# Altium PCB PowerBoard.PcbDoc (part 2 of 4)
Units mm, origin at the board's own origin, x right, y up, seen from the top; angles counter-clockwise.
Board outline 214 x 155 mm, 4 copper layers (Top Layer, GND, VCC, Bottom Layer), stack 0.603 mm thick; 425 components, 261 nets, 1488 pads, 825 vias.
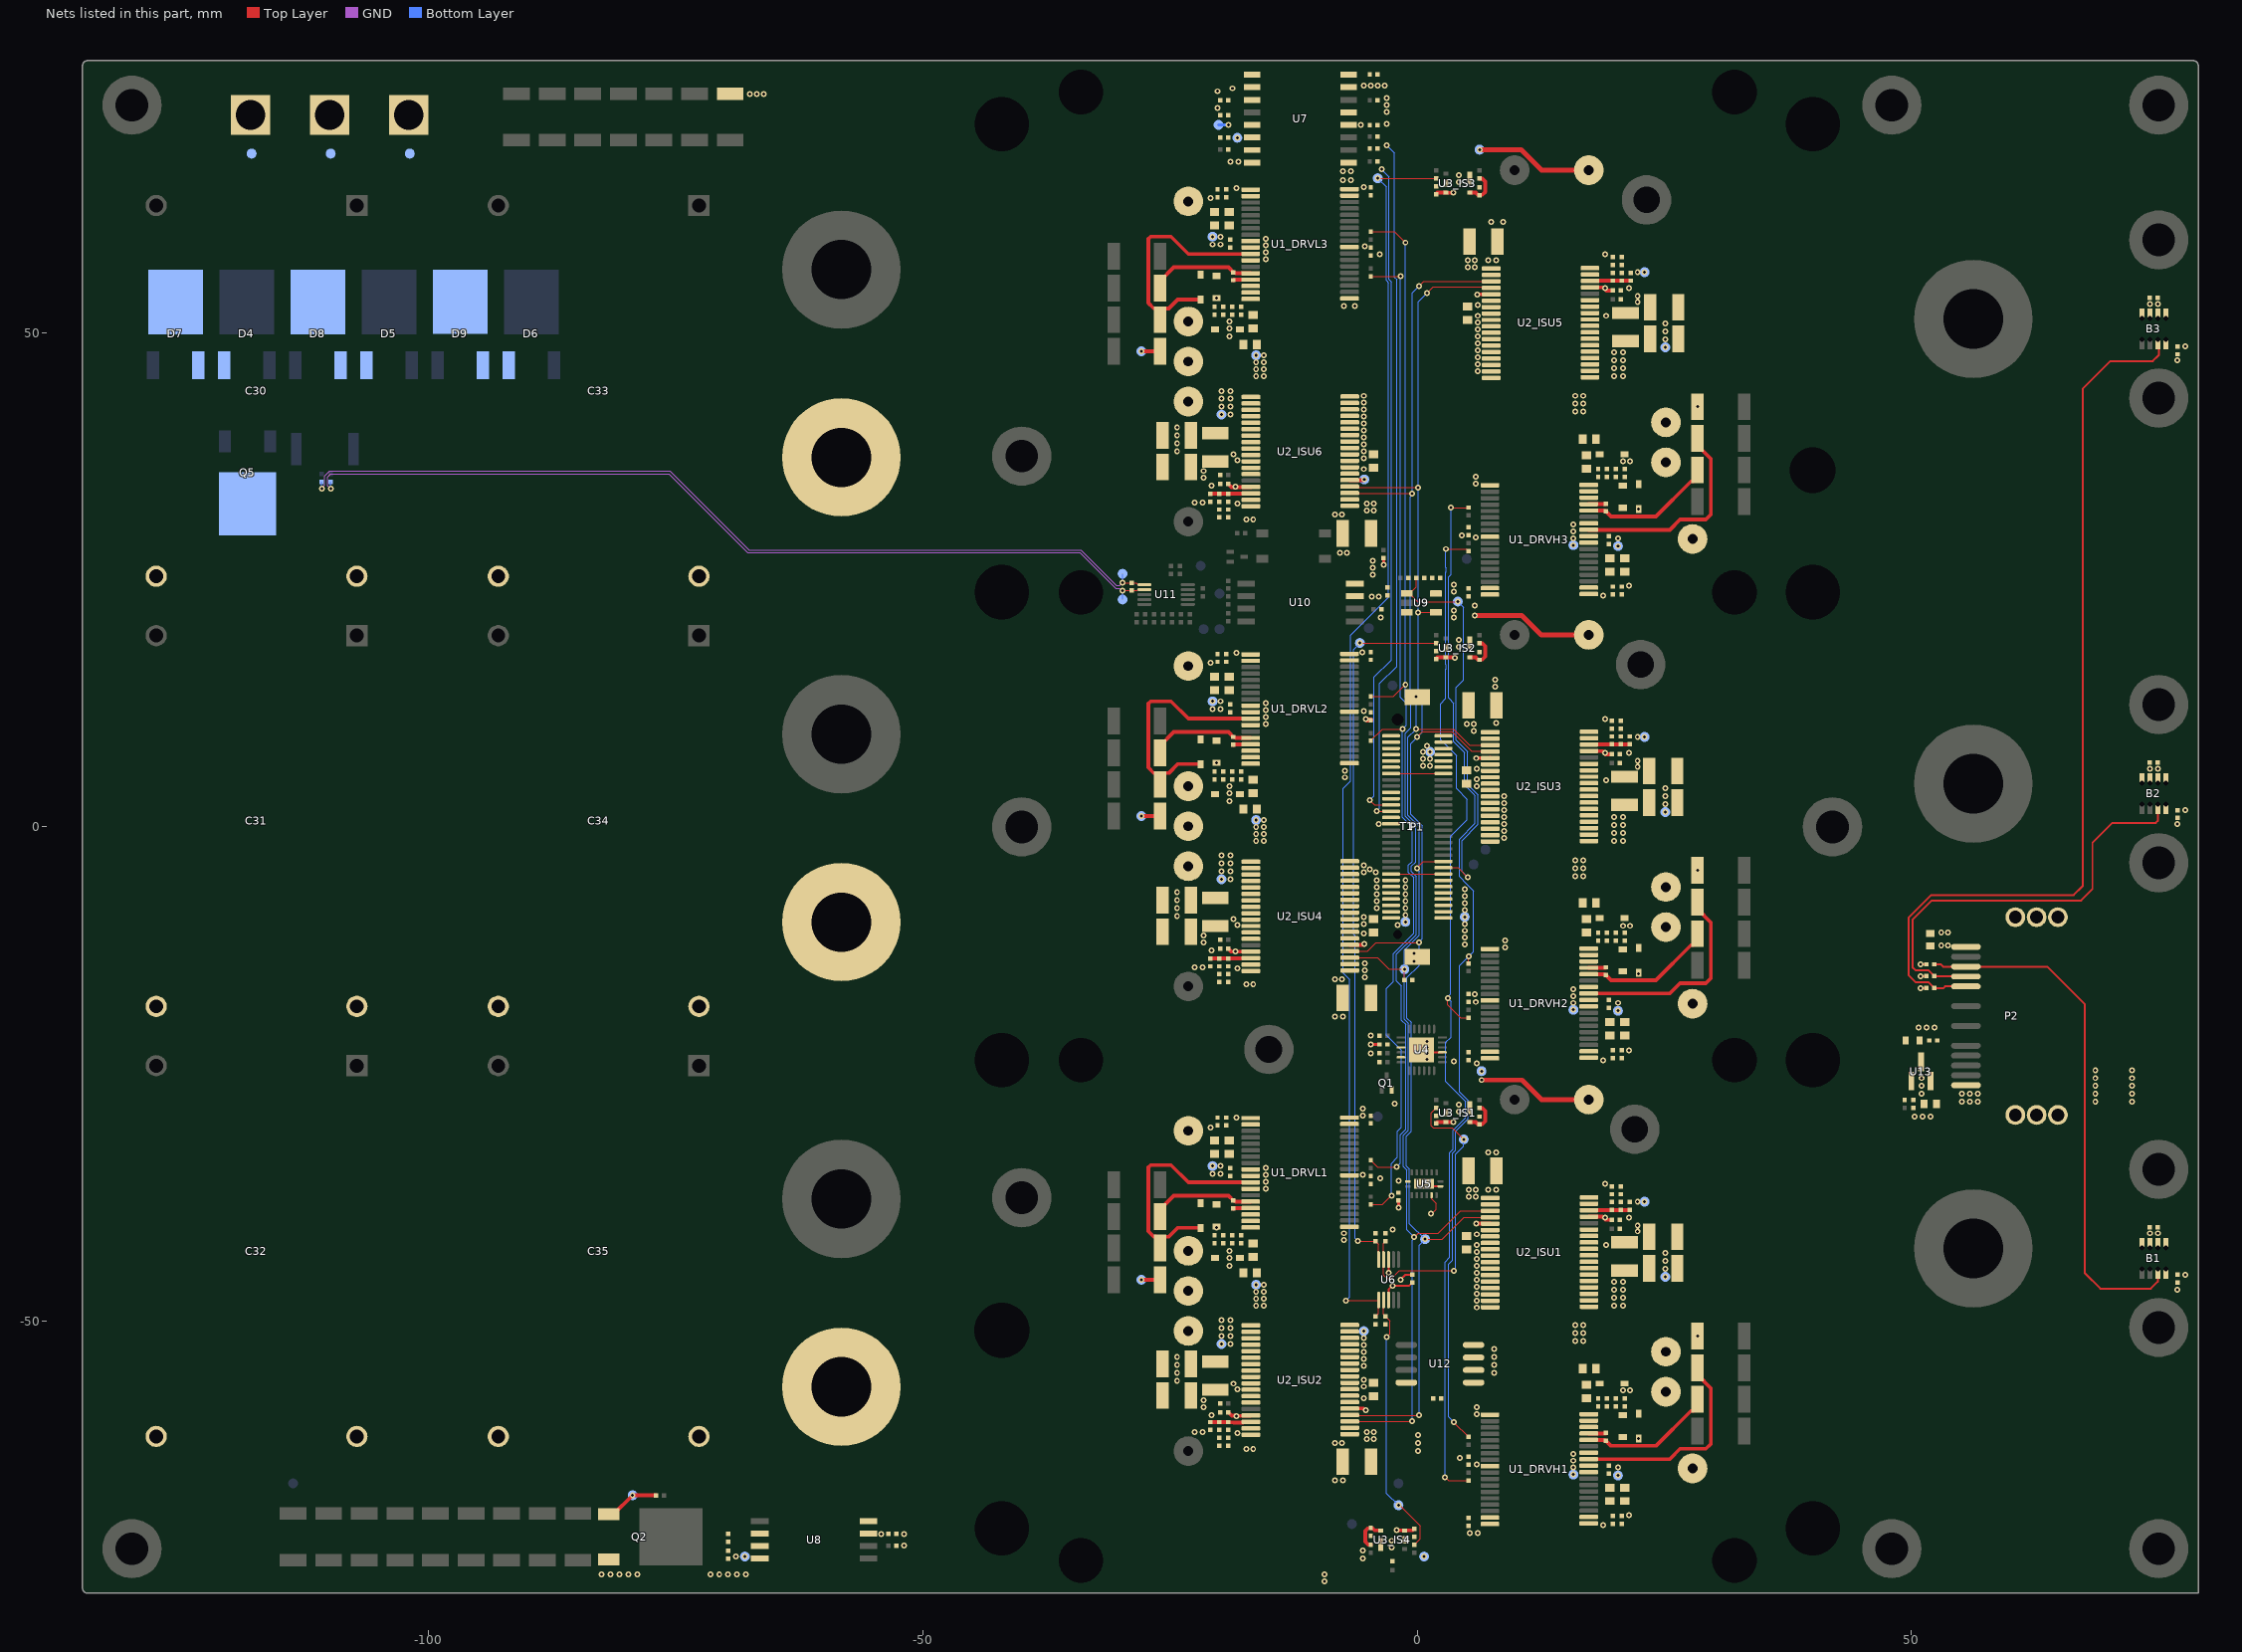
[diagram p4: the nets of this part, all layers, seen from the top]

## Part data
3V3 24V BENA CENA CPG DCN DCP FBGT FBON GND1 GND2 GND3 GND4 GND5 GND6 HGAT_HBU HGAT_HBV HGAT_HBW HLDO HVMS ICM_ISU1 ICM_ISU2 ICM_ISU3 ICM_ISU4 ICM_ISU5 ICM_ISU6 IVD_ISU1 IVD_ISU2 IVD_ISU3 IVD_ISU4 IVD_ISU5 IVD_ISU6 IVE_ISU1 IVE_ISU2 IVE_ISU3 IVE_ISU4 IVE_ISU5 IVE_ISU6 LGAT_HBU LGAT_HBV LGAT_HBW PHS_HBU PHS_HBV PHS_HBW PUH PUL PVH PVL PWH PWL RFCN RFCP RFON RFRG RFVH RFVM RFVS RL1 RL2 RL3 TMPA_IS1 TMPA_IS2 TMPA_IS3 TMPA_IS4: library part CMP-003-000002-1
B1 B2 B3: library part CMP-010-00024-1
C1_DRVH1 C1_DRVH2 C1_DRVH3 C1_DRVL1 C1_DRVL2 C1_DRVL3 C2_DRVH1 C2_DRVH2 C2_DRVH3 C2_DRVL1 C2_DRVL2 C2_DRVL3 C3_DRVH1 C3_DRVH2 C3_DRVH3 C3_DRVL1 C3_DRVL2 C3_DRVL3 C4_DRVH1 C4_DRVH2 C4_DRVH3 C4_DRVL1 C4_DRVL2 C4_DRVL3 C5_DRVH1 C5_DRVH2 C5_DRVH3 C5_DRVL1 C5_DRVL2 C5_DRVL3 C6_DRVH1 C6_DRVH2 C6_DRVH3 C6_DRVL1 C6_DRVL2 C6_DRVL3 C11_DRVH1 C11_DRVH2 C11_DRVH3 C11_DRVL1 C11_DRVL2 C11_DRVL3 C12_DRVH1 C12_DRVH2 C12_DRVH3 C12_DRVL1 C12_DRVL2 C12_DRVL3 C18_ISU1 C18_ISU2 C18_ISU3 C18_ISU4 C18_ISU5 C18_ISU6 C19_ISU1 C19_ISU2 C19_ISU3 C19_ISU4 C19_ISU5 C19_ISU6 C20_IS1 C20_IS2 C20_IS3 C20_IS4 C21_IS1 C21_IS2 C21_IS3 C21_IS4 C22_IS1 C22_IS2 C22_IS3 C22_IS4 C23 C24 C25 C26 C27 C28 C29 C36 C37 C38 C39 C40 C41 C42 C43 C44 C45 C46: library part C0402, Capacitance=100n, Tolerance=10, Voltage=25
C7_DRVH1 C7_DRVH2 C7_DRVH3 C7_DRVL1 C7_DRVL2 C7_DRVL3 C8_DRVH1 C8_DRVH2 C8_DRVH3 C8_DRVL1 C8_DRVL2 C8_DRVL3 C9_DRVH1 C9_DRVH2 C9_DRVH3 C9_DRVL1 C9_DRVL2 C9_DRVL3 C10_DRVH1 C10_DRVH2 C10_DRVH3 C10_DRVL1 C10_DRVL2 C10_DRVL3 C16_ISU1 C16_ISU2 C16_ISU3 C16_ISU4 C16_ISU5 C16_ISU6: library part C0603, Capacitance=100n, Tolerance=10, Voltage=50
C13_ISU1 C13_ISU2 C13_ISU3 C13_ISU4 C13_ISU5 C13_ISU6 C14_ISU1 C14_ISU2 C14_ISU3 C14_ISU4 C14_ISU5 C14_ISU6 C15_ISU1 C15_ISU2 C15_ISU3 C15_ISU4 C15_ISU5 C15_ISU6 C17_ISU1 C17_ISU2 C17_ISU3 C17_ISU4 C17_ISU5 C17_ISU6: library part C1210, Capacitance=10u, Tolerance=10, Voltage=35
C30 C31 C32 C33 C34 C35: library part CMP-03022-000060-1, "FILM, RADIAL, METALLIZED POLYPRO"
C47 C49 C50 C51 C52: library part C0402, Capacitance=100n, Tolerance=10, Voltage=50
C48 C55: library part C0603, Capacitance=4.7u, Tolerance=10, Voltage=10
C53 C56 C58: library part C0402, Capacitance=10n, Tolerance=10, Voltage=50
C54 C57 C59: library part C0402, Capacitance=220n, Tolerance=10, Voltage=50
D1_DRVH1 D1_DRVH2 D1_DRVH3 D1_DRVL1 D1_DRVL2 D1_DRVL3 D3_DRVH1 D3_DRVH2 D3_DRVH3 D3_DRVL1 D3_DRVL2 D3_DRVL3: library part CMP-2000-05919-1, "Medium Power AF Schottky Diode, 0.41 V, 1 A, -65 to 125 degC, 2-Pin SOD323, RoHS, Tape and Reel", Manufacturer=Infineon, Max Processing Temp=260, Operating Temperature=-65to125C, Package Description="2-Pin Small Outline Diode Package, Body 1.25 x 1.7 mm", Package Reference=SOD323, Peak Average Forward Current=1A, Peak Reverse Repetitive Voltage=30V, Configuration=Single, Datasheet URL=http://www.infineon.com/dgdl/Infineon-BAS3010ASERIES-DS-v01_01-en.pdf?fileId=db3a30431ddc9372011dfbc50f231c06, Datasheet Version=04/2007, Lead Finish=Tin, Manufacturer URL=http://www.infineon.com/, Mounting=SurfaceMount, Mounting Technology=SurfaceMount, Package URL=http://www.infineon.com/dgdl/SOD323-Package_Overview.pdf?folderId=db3a30431936bc4b011952aab84f3bbe&fileId=db3a30431936bc4b011952beed653be3, Screening Level=Automotive, Type=SchottkyDiode
D2_DRVH1 D2_DRVH2 D2_DRVH3 D2_DRVL1 D2_DRVL2 D2_DRVL3: library part CMP-1060-00681-1, "Zener Voltage Regulator, 300 mW, Tight Tolerance Portfolio, 2-Pin SOD-323, Pb-Free, Tape and Reel", Manufacturer="On Semiconductor", ComponentLink1Description="Manufacturer URL", ComponentLink1URL=http://www.onsemi.com/, ComponentLink2Description=Datasheet, ComponentLink2URL=http://www.onsemi.cn/pub_link/Collateral/MM3Z2V4ST1-D.PDF, ComponentLink3Description="Package Specification", ComponentLink3URL=http://www.onsemi.com/pub_link/Collateral/477-02.PDF.1, DatasheetVersion="Rev. 21", Mounting Technology="Surface Mount", P Max (W)=0.3, PackageDescription="2-Pin SOD, Body 1.7 x 1.25 mm", PackageReference=SOD-323-2-477-02, PackageVersion="Rev. H, 03/2007", Packing="Tape and Reel", PartNumber=SZMM3Z6V2ST1G, RoHS=Pb-Free
D4 D5 D6 D7 D8 D9: library part CMP-00278-84326837-1, "FFSD10120A Rectifier Diode Schottky SiC 1.2KV 22A 3-Pin(2+Tab) DPAK T/R", Capacitance=612pF, Forward Current=22A, Manufacturer Lifecycle Status=ACTIVE, Max Forward Surge Current (Ifsm)=90A, Max Junction Temperature (Tj)=175°C, Max Repetitive Reverse Voltage (Vrrm)=1.2kV, Min Operating Temperature=-55°C, Peak Reverse Current=200µA, Element Configuration=Single, Height=2.517mm, Lifecycle Status=Production, Max Operating Temperature=175°C, Mount="Surface Mount", NexarPartId=84326837, RoHS=Compliant, Weight=260.37mg
FB1: library part CMP-08257-000361-1, "Signal Line Ferrite Bead 220 Ω 100MHz 500mA DCR 250mΩ AEC-Q200 SMD 0603", Case Code (Imperial)=0603, Case Code (Metric)=1608, DC Resistance (DCR)=250mR, Max Current Rating=500mA, Max Operating Temperature=125°C, Min Operating Temperature=-55°C, Package Quantity=4000, Ratings=AEC-Q200, Test Frequency=100MHz, Tolerance=25%, Case/Package=0603, Height=0.03inch, Impedance=220R, Length=0.063inch, Max DC Current=500mA, Mount="Surface Mount", Number of Lines=1, Packaging="Tape and Reel", RoHS Compliant=Yes, Termination=SMD/SMT, Weight=7.1E-05oz, Width=0.031inch
L1 L2 L3: library part CMP-003-000003-3, "Single Pad"
P1: library part CMP-002-00095-1, "Right-angle Dual Port D-Sub Connector"
P2: library part CMP-002-00109-1, "High Heat and Vibration Resistance, 05 Size, 2mm pitch Automotive Interface Connector, -40 to 125 ℃, RoHS", RoHS Compliant=Yes
Q1 Q4: library part CMP-1259-00268-1, "N-Channel Trench MOSFET, 30 V, 0.35 A, -55 to 150 degC, 3-Pin SOT416, Tape and Reel", Manufacturer="NXP Semiconductors", Automotive Qualified=Y, Channel Type=N, Code_JEITA=SC-75, ComponentLink1Description="Manufacturer URL", ComponentLink1URL=http://www.nxp.com/, ComponentLink2Description=Datasheet, ComponentLink2URL=http://www.nxp.com/documents/data_sheet/NX3008NBKT.pdf, ComponentLink3Description="Package Specification", ComponentLink3URL=http://www.nxp.com/documents/data_sheet/2N7002PT.pdf, DatasheetVersion="Rev. 1", ID [max] (A)=0.35, IDM [max] (A)=1.4, Mounting Technology="Surface Mount", PackageDescription="3-Pin Small Outline Transistor Package, Body 1.6 x 0.8 mm, Pitch 0.5 mm", PackageReference=SOT416_B, PackageVersion="06-03-16, 03/2006", Packing="Tape & Reel", PartNumber=NX3008NBKT,115, VDS [max] (V)=30, VGSth [typ] (V)=0.9
Q2 Q5: library part CMP-32901-001052-1, "MOSFET N-CH TO252-3", Drain to Source Voltage (Vdss)=800V, Halogen Free="Halogen Free", Lead Free="Contains Lead", Max Dual Supply Voltage=800V, Mount="Surface Mount", RoHS Compliant=Yes
Q3: library part CMP-35887-000017-1, "TR COUPLER; 4-PIN SO6; AECQ; ROH"
R1 R3_DRVH1 R3_DRVH2 R3_DRVH3 R3_DRVL1 R3_DRVL2 R3_DRVL3 R4_DRVH1 R4_DRVH2 R4_DRVH3 R4_DRVL1 R4_DRVL2 R4_DRVL3 R11_ISU1 R11_ISU2 R11_ISU3 R11_ISU4 R11_ISU5 R11_ISU6 R12_ISU1 R12_ISU2 R12_ISU3 R12_ISU4 R12_ISU5 R12_ISU6 R13_ISU1 R13_ISU2 R13_ISU3 R13_ISU4 R13_ISU5 R13_ISU6 R14_ISU1 R14_ISU2 R14_ISU3 R14_ISU4 R14_ISU5 R14_ISU6 R15_ISU1 R15_ISU2 R15_ISU3 R15_ISU4 R15_ISU5 R15_ISU6 R16_IS1 R16_IS2 R16_IS3 R16_IS4 R17_IS1 R17_IS2 R17_IS3 R17_IS4 R18 R19 R20 R21 R27 R29 R30 R42 R43 R44 R48 R52 R53 R54 R55 R56 R57 R58 R59 R60 R61 R62: library part R0402, Resistance=10k, Tolerance=1
R2: library part CMP-2002-01179-2, "THERMISTOR NTC 10KOHM 3380K 0402", Case Code (Imperial)=0402, Case Code (Metric)=1005, Max Operating Temperature=125°C, Max Power Dissipation=66mW, Min Operating Temperature=-40°C, Package Quantity=1, Resistance=10kR, Resistance Tolerance=1%, Accuracy=1%, Case/Package=0402, Contact Plating=Tin, Depth=0.5mm, Height=0.5mm, Lead Free="Lead Free", Length=1mm, Mount="Surface Mount", Number of Pins=2, Packaging="Tape and Reel", Power Rating=66mW, Radiation Hardening=No, REACH SVHC="No SVHC", RoHS Compliant=Yes, Series=ERT-J, Termination=SMD/SMT, Tolerance=1%, Width=500um
R5_DRVH1 R5_DRVH2 R5_DRVH3 R5_DRVL1 R5_DRVL2 R5_DRVL3 R6_DRVH1 R6_DRVH2 R6_DRVH3 R6_DRVL1 R6_DRVL2 R6_DRVL3: library part R0402, Resistance=0, Tolerance=1
R7_DRVH1 R7_DRVH2 R7_DRVH3 R7_DRVL1 R7_DRVL2 R7_DRVL3 R8_DRVH1 R8_DRVH2 R8_DRVH3 R8_DRVL1 R8_DRVL2 R8_DRVL3 R9_DRVH1 R9_DRVH2 R9_DRVH3 R9_DRVL1 R9_DRVL2 R9_DRVL3 R10_DRVH1 R10_DRVH2 R10_DRVH3 R10_DRVL1 R10_DRVL2 R10_DRVL3 R22 R23 R24 R25 R26 R28 R31 R32 R33 R34 R35 R36 R37 R38 R39 R40: library part R2010, Resistance=1, Tolerance=1
R41 R45 R46: library part R0402, Resistance=1k, Tolerance=1
R47: library part R2512, Resistance=1, Tolerance=1
R49 R50 R51: library part R0402, Resistance=100, Tolerance=1
T1: library part CMP-013-00039-2, "HybridPACK™ Drive module with CoolSiC™ Automotive MOSFET"
U1_DRVH1 U1_DRVH2 U1_DRVH3 U1_DRVL1 U1_DRVL2 U1_DRVL3: library part CMP-00024-00006-2, "Automotive 30-A isolated 5.7-kV VRMS IGBT/SiC MOSFET gate driver with advanced protection features 36-SSOP -40 to 125"
U2_ISU1 U2_ISU2 U2_ISU3 U2_ISU4 U2_ISU5 U2_ISU6: library part CMP-019-00063-1, "Automotive, 1.5-W, 24-Vin, regulated, 3-kVRMS isolated DC/DC module with integrated transformer</ 36-SO-MOD -40 to 125"
U3_IS1 U3_IS2 U3_IS3 U3_IS4: library part CMP-32856-000017-1, "IC REG LIN POS ADJ 120MA SCT595", Case/Package=SMD/SMT, Dropout Voltage=250mV, Max Input Voltage=40V, Max Operating Temperature=150°C, Max Output Voltage=20V, Max Supply Current=5.5mA, Min Operating Temperature=-40°C, Min Output Voltage=2V, Output Current=50mA, Power Supply Rejection Ratio (PSRR)=100dB, Quiescent Current=40A, Accuracy=0.1%, Halogen Free="Not Halogen Free", Lead Free="Lead Free", Max Supply Voltage=40V, Mount="Surface Mount", Number of Regulators=1, Output Configuration=Positive, Output Type=Adjustable, Packaging="Cut Tape", Series="Automotive, AEC-Q100", Watchdog Timer=No
U4: library part CMP-015-00014-1, "Low-voltage Translating 14-BIT Spi I/o Expander - AEC_Q100 Compliant"
U5: library part CMP-016-00012-1, "Automotive 3-line to 8-line decoders/demultiplexer 16-WQFN -40 to 125"
U6: library part CMP-0003-00370-2, "12-Bit ADC with Integrated MUX, PGA, Temperature Sensor, Oscillator and Reference, -40 to 125 degC, 10-pin SOP (DGS10), Green (RoHS & no Sb/Br)", Analog Voltage AV/DD(Max)(V)=5.5, Analog Voltage AV/DD(Min)(V)=2, Manufacturer="Texas Instruments", # Input Channels=4, Architecture=Delta-Sigma, Code_JEDEC=MO-153, ComponentLink1Description="Manufacturer URL", ComponentLink1URL=http://www.ti.com/, ComponentLink2Description=Datasheet, ComponentLink2URL=http://www.ti.com/lit/ds/symlink/ads1018.pdf, ComponentLink3Description="Package Specification", ComponentLink3URL=http://www.ti.com/lit/ml/mpds035b/mpds035b.pdf, DatasheetVersion=SBAS526A, Digital Supply(Max)(V)=5.5, Digital Supply(Min)(V)=2, Eco-Plan="Green (RoHS & no Sb/Br)", INL(Max)(+/-LSB)=0.5, Interface="Serial SPI", Mounting Technology="Surface Mount", PackageDescription="10-Pin Plastic Small Outline, Body 3 x 3 mm, Pitch 0.5 mm", PackageReference=DGS10, PackageVersion="4073272/C, 02/2004", PartNumber=ADS1018IDGST, Resolution(Bits)=12, Sample Rate(max)(SPS)=3.3k, SubFamily="Precision ADC (<=10MSPS)"
U7: library part CMP-00370-143191617-1, "AMC3311QDWERQ1 Automotive, 0 to 2-V input, precision reinforced isolated amplifier with integrated DC/DC converter 16-SOIC -40 to 125", Ambient Temperature Range High=125°C, Input Bias Current=3.5nA, Input Offset Voltage (Vos)=100µV, Manufacturer Lifecycle Status=ACTIVE, Max Junction Temperature (Tj)=150°C, Max Supply Voltage=5.5V, Min Operating Temperature=-40°C, Min Supply Voltage=3V, Output Current per Channel=14mA, Bandwidth=275kHz, Height=2.65mm, Length=10.3mm, Lifecycle Status=Production, Max Operating Temperature=125°C, NexarPartId=143191617, Number of Channels=1, Number of Pins=16, Response Time=600µs, Thickness=2.35mm, Width=7.5mm
U8 U10: library part CMP-00024-00007-1, "Automotive reinforced isolated switch driver with integrated 15-V gate supply 8-SO-MOD -40 to 125"
U9: library part CMP-0859-00053-3, "Single 2-Input Positive-AND Gate, DBV0005A, LARGE T&R", F @ Nom Voltage(Max)(Mhz)=150, Generic Part Number=SN74LVC1G08, ICC @ Nom Voltage(Max)(mA)=0.01, Manufacturer="Texas Instruments", Operating Temperature Range(C)="-40 to 125,-40 to 85", Rating=Catalog, tpd @ Nom Voltage(Max)(ns)=4.5,6,4,5, Voltage(Nom)(V)=1.8,2.5,3.3,5, 3-State Output=No, Bits(#)=1, DatasheetVersion=SCES217Y, Gate Type=AND, Input Type=CMOS/TTL, Logic=True, Output Drive (IOL/IOH)(Max)(mA)=32/-32, Output Type=CMOS, PackageReference=DBV0005A, Schmitt Trigger=No, Sub-Family="AND Gate", Technology Family=LVC, VCC(Max)(V)=5.5, VCC(Min)(V)=1.65
U11: library part CMP-014-00003-1, "Comparator, 1 Func, -650uV Offset-Max, 100000ns Response Time, PDSO10", RoHS Compliant=Yes
U12: library part CMP-0159-00568-1, "1 Mbit, 400kHz, 2.5V, I2C Serial EEPROM, 8-Pin SOIC 208mil, Extended Temperature", DatasheetVersion="revF, Oct-2008", PackageDescription="8-Lead Plastic Small Outline (SM) - Medium, 5.28 mm Body [SOIJ]", PackageReference=SOIJ-SM8, PackageVersion="revBB, Aug-2009"
U13: library part CMP-0784-00464-1, "Micropower, Precision Series Mode Voltage Reference, 2.5 V Output, 2.7 to 12 V Supply, Industrial, 3-pin SOT23 (RT-3), Reel", Manufacturer="Analog Devices", Operating Temp Range="-40 to 125 degC", Code_JEDEC=TO-236-AB, ComponentLink1Description="Manufacturer URL", ComponentLink1URL=http://www.analog.com/en/index.html, ComponentLink2Description=Datasheet, ComponentLink2URL=http://www.analog.com/static/imported-files/data_sheets/AD1582_1583_1584_1585.pdf, ComponentLink3Description="Package Specification", ComponentLink3URL="http:/www.analog.com/static/imported-files/packages/PKG_PDF/SOT-23-3 (RT)/RT_3.pdf", ComponentLink4Description="URL Link1", ComponentLink4URL="Product URL:http://www.analog.com/en/special-linear-functions/voltage-references/ad1582/products/product.html", DatasheetVersion="Rev. I", Mounting Technology="Surface Mount", PackageDescription="3-Pin Small Outline Transistor Package, Body 2.9 x 1.3 mm, Pitch 0.96 mm", PackageReference=RT-3, PackageVersion="011909-C, 02/2009", Packing=Reel, PartNumber=AD1582BRTZ-REEL7, Ref Out TC (ppm/C)=18, Vout=2.5V

## Free pads (board coordinates)
  round 6 hole 3.3: M(-130,-73) M(-130,73) M(-40,-37.5) M(-40,0) M(-40,37.5) M(42,0) M(48,-73) M(48,73) M(75,-73) M(75,-50.63) M(75,-34.63) M(75,-3.63) M(75,12.37) M(75,43.37) M(75,59.37) M(75,73)
  round 5 hole 2.7: M(-15,-22.5) M(22,-30.58) M(22.6,16.42) M(23.2,63.42)

## Via types
v1: diameter 0.6, hole 0.3, Top Layer to Bottom Layer, tented both sides, 825 vias

## Nets (pads, with @x,y where several pads share a name; then routed paths per layer and width w, separated by ;. In a path a pad name is that pad's centre, name@x,y a point inside that pad or via, vN(x,y) a via of type N, cw(c..) or ccw(c..) an arc to the next point about the centre after c; other vN are vias at no path point)
+3V3: 3V3.1 C5_DRVH1.2 C5_DRVH2.2 C5_DRVH3.2 C5_DRVL1.2 C5_DRVL2.2 C5_DRVL3.2 C21_IS1.2 C21_IS2.2 C21_IS3.2 C21_IS4.2 C23.2 C24.2 C25.2 C28.1 C40.2 C41.1 C44.2 C47.2 P1.1 P1.2 P1.3 P1.4 P1.5 P1.6 P1.7 R1.1 R18.2 R19.2 R20.2 R21.2 R46.1 U1_DRVH1.9 U1_DRVH2.9 U1_DRVH3.9 U1_DRVL1.9 U1_DRVL2.9 U1_DRVL3.9 U3_IS1.3 U3_IS2.3 U3_IS3.3 U3_IS4.3 U4.21 U4.23 U5.6 U5.16 U6.8 U7.12 U8.3 U9.5 U10.3 U12.1 U12.8 | length 14.2
  Top Layer w0.12: v1(1.4,-39.1) 1.5,-39.1 1.91,-38.69 1.91,-38.089 1.462,-37.641 1.462,-37.262 U5.6@1.45,-37.25
  Top Layer w0.2: U6.8@-2.9,-47.85 -2.9,-46.8 v1(-2.5,-46.4) -0.8,-46.4 C25.2@-0.5,-46.1
  Top Layer w0.3: v1(-3.4,26.5) R46.1@-3.4,27.2
  Top Layer w0.381: v1(-2.06,-71.141) U3_IS4.3@-1.3,-71.141 ; U3_IS4.3@-1.3,-71.15 -0.45,-71.15 C21_IS4.2@-0.3,-71 ; C21_IS1.2@1.9,-30 2.05,-29.85 U3_IS1.3@2.9,-29.85 ; C21_IS2.2@1.9,17 2.05,17.15 U3_IS2.3@2.9,17.15 ; C21_IS3.2@1.9,64 2.05,64.15 U3_IS3.3@2.9,64.15 ; U3_IS1.3@2.9,-29.86 v1(3.66,-29.86) ; U3_IS3.3@2.9,64.14 v1(3.66,64.14) ; U3_IS2.3@2.919,17.159 2.938,17.14 3.76,17.14 v1(3.8,17.1)
  other v1: -9.4,-76.3 -9.4,-75.6 -5.5,-74 -5.5,-73.2 -54.2,-71.5 6,-64.5 0.1,-63.1 0.1,-62.3 0.1,-61.5 -1.9,-35.8 -5.5,-35.2 -4.7,-22.9 -4.7,-21.1 5.9,-17.7 4.8,-11.9 4.8,-11.2 4.8,-10.5 4.8,-9.8 4.8,-9.1 4.8,-8.4 4.8,-7.7 4.8,-7 4.8,-6.3 -5.4,11.7 -4.6,23.3 -3.9,23.3 3.7,23.8 3.7,24.5 5.9,29.3 -5.3,58.7 -5.7,71 -3.1,72.3 -3.1,73 -3.1,73.7
+24V: 24V.1 C15_ISU1.2 C15_ISU2.2 C15_ISU3.2 C15_ISU4.2 C15_ISU5.2 C15_ISU6.2 C16_ISU1.2 C16_ISU2.2 C16_ISU3.2 C16_ISU4.2 C16_ISU5.2 C16_ISU6.2 P1.31 P1.32 P1.33 P1.34 P1.35 P1.36 P1.37 U2_ISU1.6 U2_ISU1.7 U2_ISU2.6 U2_ISU2.7 U2_ISU3.6 U2_ISU3.7 U2_ISU4.6 U2_ISU4.7 U2_ISU5.6 U2_ISU5.7 U2_ISU6.6 U2_ISU6.7
  other v1: -8.3,-66.1 -7.5,-66.1 -8.3,-62.3 -7.6,-62.3 -5.4,-57.8 6,-41.2 7.2,-36.7 8,-36.7 7.2,-32.9 8,-32.9 -8.3,-19.2 -7.5,-19.2 -8.3,-15.4 -7.6,-15.4 -5.4,-10.8 -2,-9.9 -1.2,-9.6 -1.2,-8.9 -4.1,-8.2 -1.2,-8.2 -4.1,-7.5 -1.2,-7.5 -4.1,-6.8 -1.2,-6.8 -4.1,-6.1 -1.2,-6.1 -4.1,-5.4 -1.2,-5.4 6,5.9 8,10.5 7.9,14.2 7.9,14.9 -7.8,27.7 -7.1,27.7 -8.3,31.6 -7.6,31.6 -5.4,36.2 6.1,52.8 7.2,57.3 8,57.3 7.5,61.2 8.7,61.2
ASC.EN_H: R6_DRVH1.1 R6_DRVH2.1 R6_DRVH3.1 | length 101.6
  Top Layer w0.12: v1(3.4,32.3) R6_DRVH3.1@5.2,32.3 ; v1(3.7,-60.2) R6_DRVH1.1@5.2,-61.7 ; R6_DRVH2.1@5.2,-13.8 v1(5.2,-13.1)
  Bottom Layer w0.12: v1(3.4,32.3) 3.42,32.28 3.42,25.52 3.17,25.27 3.17,16.533 3.18,16.523 3.18,15.877 3.17,15.867 3.17,13.03 3.68,12.52 3.68,8.638 4.809,7.509 4.809,4.191 5.22,3.78 5.22,3.777 5.677,3.32 5.68,3.32 5.86,3.14 5.86,0.36 4.26,-1.24 4.26,-5.039 5.011,-5.79 5.7,-6.479 5.7,-12.6 v1(5.2,-13.1) 4.29,-14.01 4.29,-26.79 5.16,-27.66 5.16,-29.54 3.9,-30.8 3.9,-32.718 3.6,-33.018 3.6,-43.8 3.19,-44.21 3.19,-59.69 v1(3.7,-60.2)
ASC.EN_L: R6_DRVL1.1 R6_DRVL2.1 R6_DRVL3.1 | length 105.5
  Top Layer w0.12: R6_DRVL2.1@-4.7,8.7 -3.5,9.9 v1(-1.5,9.9) ; R6_DRVL3.1@-4.7,55.7 v1(-1.7,55.7) ; R6_DRVL1.1@-4.6,-38.1 -4.6,-38.135 -4.535,-38.2 -3.5,-38.2 v1(-2.6,-37.3)
  Bottom Layer w0.12: v1(-2.6,-37.3) -2.627,-37.273 -2.627,-34.035 -2,-33.408 -2,-30.8 -1.6,-30.4 -1.6,-22.6 -3.11,-21.09 -3.11,-16.34 -2.4,-15.63 -2.4,-12.8 -0.37,-10.77 -0.37,-5.122 -0.88,-4.612 -0.88,-3.877 -0.5,-3.497 -0.5,-0.018 -1.5,0.982 v1(-1.5,9.9) -1.1,10.3 -1.1,12.49 -1.71,13.1 -1.71,55.69 v1(-1.7,55.7)
ASC.H: R5_DRVH1.1 R5_DRVH2.1 R5_DRVH3.1 | length 106.3
  Top Layer w0.12: v1(2.8,-65.8) 2.879,-65.8 3.179,-66.1 R5_DRVH1.1@5.2,-66.1 ; v1(2.9,28.1) 5,28.1 R5_DRVH3.1@5.2,27.9 ; v1(3.1,-17.3) 3.1,-18.018 4.382,-19.3 R5_DRVH2.1@5.2,-19.3
  Bottom Layer w0.12: v1(2.8,-65.8) 2.8,-44 3.3,-43.5 3.3,-32.936 3.63,-32.606 3.63,-30.688 4.89,-29.428 4.89,-27.772 2.89,-25.772 2.89,-21.789 3.41,-21.269 3.41,-17.669 v1@3.1,-17.359 ; v1(2.9,28.1) 2.9,26.221 2.91,26.211 2.91,25.789 2.9,25.779 2.9,16.421 2.91,16.411 2.91,15.989 2.9,15.979 2.9,13 2.35,12.45 2.35,8.823 3.96,7.213 3.96,3.876 5.05,2.786 5.05,0.729 3.39,-0.931 3.39,-16.911 3.1,-17.201 v1(3.1,-17.3)
ASC.L: R5_DRVL1.1 R5_DRVL2.1 R5_DRVL3.1 | length 107.3
  Top Layer w0.12: R5_DRVL1.1@-4.7,-33.7 -4,-34.4 v1(-2.1,-34.4) ; R5_DRVL3.1@-4.7,60.2 -2.3,60.2 v1(-1.2,59.1) ; R5_DRVL2.1@-4.6,13.3 R5_DRVL2.1@-4.7,13.2 -3.817,13.2 -3.807,13.19 -2.41,13.19 v1(-1.2,14.4)
  Bottom Layer w0.12: v1(-2.1,-34.4) -1.7,-34 -1.7,-31.123 -1.17,-30.593 -1.17,-19.966 -1.59,-19.546 -1.59,-16.11 -2.1,-15.6 -2.1,-12.882 -0.1,-10.882 -0.1,-5.01 -0.6,-4.51 -0.6,-3.979 -0.169,-3.548 -0.169,0.032 -1.2,1.063 -1.2,9.479 -0.67,10.009 -0.67,12.57 -1.2,13.1 v1(-1.2,14.4) ; v1(-1.2,59.1) -1.19,59.09 v1@-1.19,14.42
BRIDGE_ENA: BENA.1 U2_ISU1.4 U2_ISU2.4 U2_ISU3.4 U2_ISU4.4 U2_ISU5.4 U2_ISU6.4 U9.4 | length 163
  Top Layer w0.12: U2_ISU2.4@-6.825,-59.475 -6.765,-59.535 0.165,-59.535 v1(0.2,-59.5) ; U2_ISU4.4@-6.825,-12.575 -5.047,-12.575 -4.172,-11.7 v1(0.2,-11.7) ; U2_ISU6.4@-6.825,34.425 -6.763,34.362 0.038,34.362 v1(0.1,34.3) ; v1(0,9.1) 0.53,9.63 3.548,9.63 5.493,7.685 7.315,7.685 U2_ISU3.4@7.34,7.659 ; v1(0.1,21.7) U9.4@1.9,21.7 ; v1(0.8,-41.7) 2.5,-41.7 4.725,-39.475 U2_ISU1.4@7.375,-39.475 ; v1(1,54) 1.625,54.625 7.375,54.625 U2_ISU5.4@7.475,54.525
  Top Layer w0.381: U2_ISU3.4@7.34,7.659 U2_ISU3.4@7.375,7.625
  Bottom Layer w0.12: v1(0.2,-59.5) 0.2,-42.3 v1(0.8,-41.7) -0.78,-40.12 -0.78,-34.617 -1.1,-34.297 -1.1,-31.286 -0.6,-30.786 -0.6,-19.773 -1.03,-19.343 -1.03,-15.245 0.21,-14.005 v1@0.21,-11.7 ; v1(0.2,-11.7) 0.2,-11.641 0.51,-11.331 0.51,0.117 -0.66,1.287 -0.66,8.44 0.5,9.6 0.5,13.5 0.1,13.9 v1(0.1,34.3) 0.1,53.1 v1(1,54)
CSGND: B1.3 B1.4 B2.3 B2.4 B3.3 B3.4 C48.1 C49.1 C50.1 C51.1 C52.1 C53.1 C54.1 C55.1 C56.1 C57.1 C58.1 C59.1 P2.12 P2.M1 P2.M2 P2.M3 P2.M4 P2.M5 P2.M6 R62.2 U13.2 | length 1.8
  Top Layer w0.2: v1(50.9,-16.3) C58.1@51.5,-16.3 ; v1(50.9,-15.1) C56.1@51.5,-15.1 ; v1(50.9,-13.9) C53.1@51.5,-13.9
  other v1: 76.9,-46.8 74.1,-41.1 50.3,-29.3 51.1,-29.3 51.9,-29.3 55.1,-27.8 55.9,-27.8 56.7,-27.8 55.1,-27 55.9,-27 56.7,-27 53,-10.7 53.7,-10.7 76.9,0.3 74.1,5.9 76.9,47.2 74.1,52.9
CSREF: B1.8 B2.8 B3.8 C48.2 C50.2 C51.2 C52.2 R61.2 R62.1 U13.1
  other v1: 77.7,-45.3 68.6,-27.8 72.3,-27.8 51,-27 68.6,-27 72.3,-27 51,-26.2 68.6,-26.2 72.3,-26.2 51,-25.4 68.6,-25.4 72.3,-25.4 68.6,-24.6 72.3,-24.6 77.7,1.7 77.7,48.6
CSVDD: B1.1 B1.2 B2.1 B2.2 B3.1 B3.2 C54.2 C55.2 C57.2 C59.2 FB1.1 P2.5
  other v1: 74.9,-41.1 50.7,-20.3 51.5,-20.3 52.3,-20.3 53,-12 53.7,-12 74.9,5.9 74.9,52.9
CTRL_ENA: CENA.1 P1.9 R43.1 U9.1 | length 40.5
  Top Layer w0.12: U9.1@-1.05,23.6 U9.1@-0.775,23.6 ; R43.1@-0.1,25.2 -0.1,24.275 U9.1@-0.775,23.6 ; P1.9@2.65,-4.127 4.127,-4.127 v1(5.1,-5.1) ; v1(4.1,22.8) 4.063,22.763 0.062,22.763 U9.1@-0.775,23.6
  Bottom Layer w0.12: v1(4.1,22.8) 4.71,22.19 4.71,14.861 3.95,14.101 3.95,8.75 4.6,8.1 5.079,7.621 5.079,4.303 5.49,3.892 5.49,3.889 5.789,3.59 5.792,3.59 6.15,3.232 6.15,0.25 4.53,-1.37 4.53,-4.53 v1(5.1,-5.1)
CTRL_nPG: CPG.1 P1.10 R1.2 U2_ISU1.3 U2_ISU2.3 U2_ISU3.3 U2_ISU4.3 U2_ISU5.3 U2_ISU6.3 | length 164.9
  Top Layer w0.12: U2_ISU2.3@-6.825,-60.125 -6.812,-60.113 -0.513,-60.113 v1(-0.5,-60.1) ; U2_ISU4.3@-6.825,-13.225 -4.022,-13.225 -2.847,-14.4 v1(-1.3,-14.4) R1.2@-1.3,-15.5 ; U2_ISU6.3@-6.825,33.775 -6.788,33.737 -0.537,33.737 v1(-0.5,33.7) ; v1(-0.3,-41.5) 0.1,-41.1 2.1,-41.1 4.387,-38.813 7.362,-38.813 U2_ISU1.3@7.375,-38.825 ; v1(-0.1,9.9) 3.66,9.9 5.285,8.275 U2_ISU3.3@7.375,8.275 ; v1(0,-4.2) 0,-4.1 0.608,-3.492 P1.10@2.65,-3.492 ; v1(0.2,54.7) 0.675,55.175 U2_ISU5.3@7.475,55.175
  Bottom Layer w0.12: v1(-0.5,-60.1) -0.5,-41.83 -0.3,-41.63 v1(-0.3,-41.5) -1.05,-40.75 -1.05,-34.729 -1.4,-34.379 -1.4,-31.204 -0.9,-30.704 -0.9,-19.854 -1.3,-19.454 v1(-1.3,-14.4) -1.3,-12.479 0.2,-10.979 0.2,-4.51 v1@0,-4.31 ; v1@0,-4.092 0.202,-3.89 0.202,0.043 -0.93,1.175 -0.93,9.07 v1(-0.1,9.9) -0.1,12.382 -0.69,12.972 -0.69,33.39 -0.5,33.58 -0.5,54 v1(0.2,54.7)
DETECT1: P1.8 P1.38 | length 5.3
  Top Layer w0.12: P1.38@-2.65,-4.763 P1.8@2.65,-4.763
DETECT2: P1.24 P1.54 | length 5.3
  Top Layer w0.12: P1.54@-2.65,5.397 P1.24@2.65,5.397
DRV_COM_DRVH1: C1_DRVH1.2 C2_DRVH1.2 C4_DRVH1.1 C7_DRVH1.2 C8_DRVH1.2 C9_DRVH1.2 C10_DRVH1.2 C11_DRVH1.1 C12_DRVH1.1 C13_ISU1.1 C17_ISU1.2 ICM_ISU1.1 PHS_HBU.1 R3_DRVH1.1 R11_ISU1.1 R13_ISU1.1 T1.S1 U1_DRVH1.28
  other v1: 21.4,-69.6 20.3,-65.6 20.3,-64.8 25.1,-45.5 25.1,-44.7 25.1,-43.9 25.1,-43.1 21.4,-39.5
DRV_COM_DRVH2: C1_DRVH2.2 C2_DRVH2.2 C4_DRVH2.1 C7_DRVH2.2 C8_DRVH2.2 C9_DRVH2.2 C10_DRVH2.2 C11_DRVH2.1 C12_DRVH2.1 C13_ISU3.1 C17_ISU3.2 ICM_ISU3.1 PHS_HBV.1 R3_DRVH2.1 R11_ISU3.1 R13_ISU3.1 T1.S3 U1_DRVH2.28